# Altium PCB Minion.PcbDoc (part 4 of 10)
Units mm, origin at the board's own origin, x right, y up, seen from the top; angles counter-clockwise.
Board outline 250 x 250 mm, 4 copper layers (Top Layer, Mid-Top Layer, Mid-Bottom Layer, Bottom Layer); 557 components, 153 nets, 5229 pads, 7984 vias.
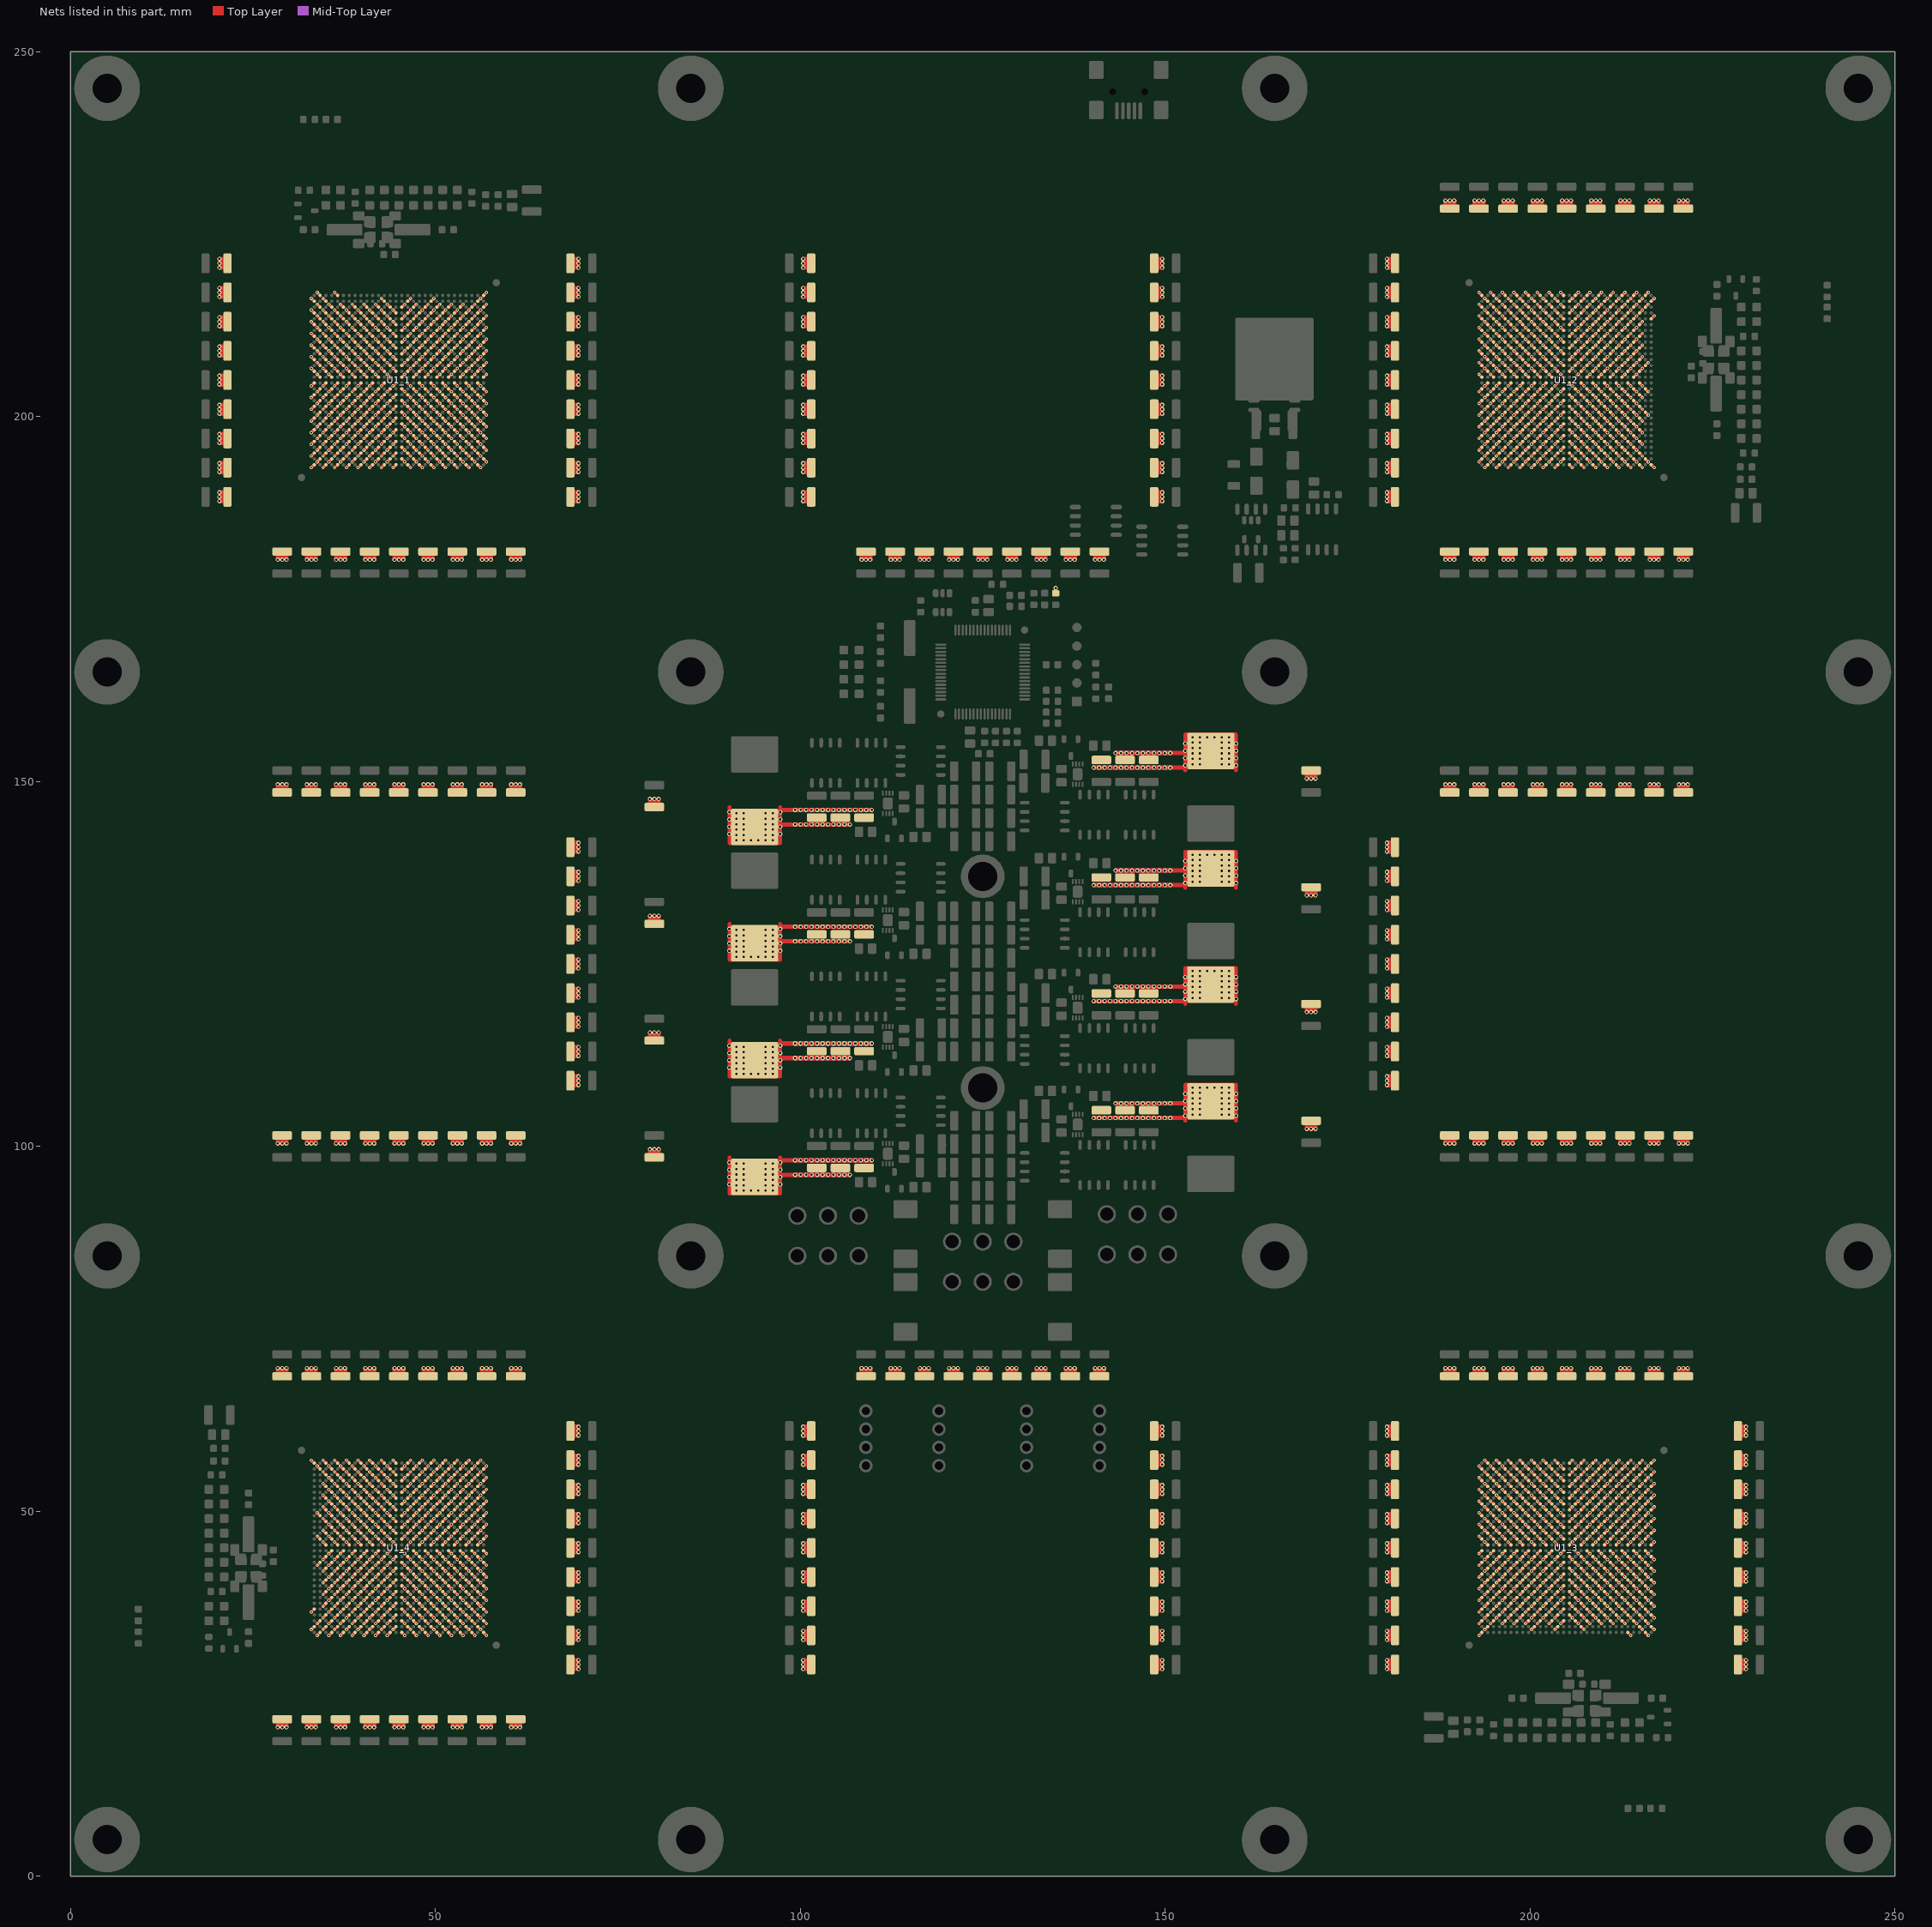
[diagram p6: the nets of this part, all layers, seen from the top]

## Via types
v1: diameter 0.6, hole 0.3, Top Layer to Bottom Layer, tented both sides, 4384 vias
v2: diameter 0.45, hole 0.2, Top Layer to Bottom Layer, tented both sides, 3600 vias

## Nets (pads, with @x,y where several pads share a name; then routed paths per layer and width w, separated by ;. In a path a pad name is that pad's centre, name@x,y a point inside that pad or via, vN(x,y) a via of type N, cw(c..) or ccw(c..) an arc to the next point about the centre after c; other vN are vias at no path point) (continued)
0.8V: (continued)
  Top Layer w0.6: v1(20.4,188.4) CM_14.1@21.5,188.4 ; v1(20.4,189) CM_14.1@21.5,189 ; v1(20.4,189.6) CM_14.1@21.5,189.6 ; v1(20.4,192.4) CM_16.1@21.5,192.4 ; v1(20.4,193) CM_16.1@21.5,193 ; v1(20.4,193.6) CM_16.1@21.5,193.6 ; v1(20.4,196.4) CM_18.1@21.5,196.4 ; v1(20.4,197) CM_18.1@21.5,197 ; v1(20.4,197.6) CM_18.1@21.5,197.6 ; v1(20.4,200.4) CM_20.1@21.5,200.4 ; v1(20.4,201) CM_20.1@21.5,201 ; v1(20.4,201.6) CM_20.1@21.5,201.6 ; v1(20.4,204.4) CM_22.1@21.5,204.4 ; v1(20.4,205) CM_22.1@21.5,205 ; v1(20.4,205.6) CM_22.1@21.5,205.6 ; v1(20.4,208.4) CM_21.1@21.5,208.4 ; v1(20.4,209) CM_21.1@21.5,209 ; v1(20.4,209.6) CM_21.1@21.5,209.6 ; v1(20.4,212.4) CM_23.1@21.5,212.4 ; v1(20.4,213) CM_23.1@21.5,213 ; v1(20.4,213.6) CM_23.1@21.5,213.6 ; v1(20.4,216.4) CM_24.1@21.5,216.4 ; v1(20.4,217) CM_24.1@21.5,217 ; v1(20.4,217.6) CM_24.1@21.5,217.6 ; v1(20.4,220.4) CM_8.1@21.5,220.4 ; v1(20.4,221) CM_8.1@21.5,221 ; v1(20.4,221.6) CM_8.1@21.5,221.6 ; v1(28.4,20.4) CM_97.1@28.4,21.5 ; CM_98.1@28.4,68.5 v1(28.4,69.6) ; v1(28.4,100.4) CF_79.1@28.4,101.5 ; CF_80.1@28.4,148.5 v1(28.4,149.6) ; v1(28.4,180.4) CM_10.1@28.4,181.5 ; v1(29,20.4) CM_97.1@29,21.5 ; CM_98.1@29,68.5 v1(29,69.6) ; v1(29,100.4) CF_79.1@29,101.5 ; CF_80.1@29,148.5 v1(29,149.6) ; v1(29,180.4) CM_10.1@29,181.5 ; v1(29.6,20.4) CM_97.1@29.6,21.5 ; CM_98.1@29.6,68.5 v1(29.6,69.6) ; v1(29.6,100.4) CF_79.1@29.6,101.5 ; CF_80.1@29.6,148.5 v1(29.6,149.6) ; v1(29.6,180.4) CM_10.1@29.6,181.5 ; v1(32.4,20.4) CM_5.1@32.4,21.5 ; CM_85.1@32.4,68.5 v1(32.4,69.6) ; v1(32.4,100.4) CF_108.1@32.4,101.5 ; CF_112.1@32.4,148.5 v1(32.4,149.6) ; v1(32.4,180.4) CM_109.1@32.4,181.5 ; v1(33,20.4) CM_5.1@33,21.5 ; CM_85.1@33,68.5 v1(33,69.6) ; v1(33,100.4) CF_108.1@33,101.5 ; CF_112.1@33,148.5 v1(33,149.6) ; v1(33,180.4) CM_109.1@33,181.5 ; v1(33.6,20.4) CM_5.1@33.6,21.5 ; CM_85.1@33.6,68.5 v1(33.6,69.6) ; v1(33.6,100.4) CF_108.1@33.6,101.5 ; CF_112.1@33.6,148.5 v1(33.6,149.6) ; v1(33.6,180.4) CM_109.1@33.6,181.5 ; v1(36.4,20.4) CM_103.1@36.4,21.5 ; CM_86.1@36.4,68.5 v1(36.4,69.6) ; v1(36.4,100.4) CF_106.1@36.4,101.5 ; CF_73.1@36.4,148.5 v1(36.4,149.6) ; v1(36.4,180.4) CM_108.1@36.4,181.5 ; v1(37,20.4) CM_103.1@37,21.5 ; CM_86.1@37,68.5 v1(37,69.6) ; v1(37,100.4) CF_106.1@37,101.5 ; CF_73.1@37,148.5 v1(37,149.6) ; v1(37,180.4) CM_108.1@37,181.5 ; v1(37.6,20.4) CM_103.1@37.6,21.5 ; CM_86.1@37.6,68.5 v1(37.6,69.6) ; v1(37.6,100.4) CF_106.1@37.6,101.5 ; CF_73.1@37.6,148.5 v1(37.6,149.6) ; v1(37.6,180.4) CM_108.1@37.6,181.5 ; v1(40.4,20.4) CM_102.1@40.4,21.5 ; CM_87.1@40.4,68.5 v1(40.4,69.6) ; v1(40.4,100.4) CF_95.1@40.4,101.5 ; CF_71.1@40.4,148.5 v1(40.4,149.6) ; v1(40.4,180.4) CM_3.1@40.4,181.5 ; v1(41,20.4) CM_102.1@41,21.5 ; CM_87.1@41,68.5 v1(41,69.6) ; v1(41,100.4) CF_95.1@41,101.5 ; CF_71.1@41,148.5 v1(41,149.6) ; v1(41,180.4) CM_3.1@41,181.5 ; v1(41.6,20.4) CM_102.1@41.6,21.5 ; CM_87.1@41.6,68.5 v1(41.6,69.6) ; v1(41.6,100.4) CF_95.1@41.6,101.5 ; CF_71.1@41.6,148.5 v1(41.6,149.6) ; v1(41.6,180.4) CM_3.1@41.6,181.5 ; v1(44.4,20.4) CM_101.1@44.4,21.5 ; CM_88.1@44.4,68.5 v1(44.4,69.6) ; v1(44.4,100.4) CF_72.1@44.4,101.5 ; CF_65.1@44.4,148.5 v1(44.4,149.6) ; v1(44.4,180.4) CM_107.1@44.4,181.5 ; v1(45,20.4) CM_101.1@45,21.5 ; CM_88.1@45,68.5 v1(45,69.6) ; v1(45,100.4) CF_72.1@45,101.5 ; CF_65.1@45,148.5 v1(45,149.6) ; v1(45,180.4) CM_107.1@45,181.5 ; v1(45.6,20.4) CM_101.1@45.6,21.5 ; CM_88.1@45.6,68.5 v1(45.6,69.6) ; v1(45.6,100.4) CF_72.1@45.6,101.5 ; CF_65.1@45.6,148.5 v1(45.6,149.6) ; v1(45.6,180.4) CM_107.1@45.6,181.5 ; v1(48.4,20.4) CM_100.1@48.4,21.5 ; CM_90.1@48.4,68.5 v1(48.4,69.6) ; v1(48.4,100.4) CF_68.1@48.4,101.5 ; CF_22.1@48.4,148.5 v1(48.4,149.6) ; v1(48.4,180.4) CM_106.1@48.4,181.5 ; v1(49,20.4) CM_100.1@49,21.5 ; CM_90.1@49,68.5 v1(49,69.6) ; v1(49,100.4) CF_68.1@49,101.5 ; CF_22.1@49,148.5 v1(49,149.6) ; v1(49,180.4) CM_106.1@49,181.5 ; v1(49.6,20.4) CM_100.1@49.6,21.5 ; CM_90.1@49.6,68.5 v1(49.6,69.6) ; v1(49.6,100.4) CF_68.1@49.6,101.5 ; CF_22.1@49.6,148.5 v1(49.6,149.6) ; v1(49.6,180.4) CM_106.1@49.6,181.5 ; v1(52.4,20.4) CM_9.1@52.4,21.5 ; CM_89.1@52.4,68.5 v1(52.4,69.6) ; v1(52.4,100.4) CF_67.1@52.4,101.5 ; CF_48.1@52.4,148.5 v1(52.4,149.6) ; v1(52.4,180.4) CM_105.1@52.4,181.5 ; v1(53,20.4) CM_9.1@53,21.5 ; CM_89.1@53,68.5 v1(53,69.6) ; v1(53,100.4) CF_67.1@53,101.5 ; CF_48.1@53,148.5 v1(53,149.6) ; v1(53,180.4) CM_105.1@53,181.5 ; v1(53.6,20.4) CM_9.1@53.6,21.5 ; CM_89.1@53.6,68.5 v1(53.6,69.6) ; v1(53.6,100.4) CF_67.1@53.6,101.5 ; CF_48.1@53.6,148.5 v1(53.6,149.6) ; v1(53.6,180.4) CM_105.1@53.6,181.5 ; v1(56.4,20.4) CM_99.1@56.4,21.5 ; CM_91.1@56.4,68.5 v1(56.4,69.6) ; v1(56.4,100.4) CF_35.1@56.4,101.5 ; CF_52.1@56.4,148.5 v1(56.4,149.6) ; v1(56.4,180.4) CM_104.1@56.4,181.5 ; v1(57,20.4) CM_99.1@57,21.5 ; CM_91.1@57,68.5 v1(57,69.6) ; v1(57,100.4) CF_35.1@57,101.5 ; CF_52.1@57,148.5 v1(57,149.6) ; v1(57,180.4) CM_104.1@57,181.5 ; v1(57.6,20.4) CM_99.1@57.6,21.5 ; CM_91.1@57.6,68.5 v1(57.6,69.6) ; v1(57.6,100.4) CF_35.1@57.6,101.5 ; CF_52.1@57.6,148.5 v1(57.6,149.6) ; v1(57.6,180.4) CM_104.1@57.6,181.5 ; v1(60.4,20.4) CM_93.1@60.4,21.5 ; CM_96.1@60.4,68.5 v1(60.4,69.6) ; v1(60.4,100.4) CF_76.1@60.4,101.5 ; CF_78.1@60.4,148.5 v1(60.4,149.6) ; v1(60.4,180.4) CM_12.1@60.4,181.5 ; v1(61,20.4) CM_93.1@61,21.5 ; CM_96.1@61,68.5 v1(61,69.6) ; v1(61,100.4) CF_76.1@61,101.5 ; CF_78.1@61,148.5 v1(61,149.6) ; v1(61,180.4) CM_12.1@61,181.5 ; v1(61.6,20.4) CM_93.1@61.6,21.5 ; CM_96.1@61.6,68.5 v1(61.6,69.6) ; v1(61.6,100.4) CF_76.1@61.6,101.5 ; CF_78.1@61.6,148.5 v1(61.6,149.6) ; v1(61.6,180.4) CM_12.1@61.6,181.5 ; CM_95.1@68.5,28.4 v1(69.6,28.4) ; CM_95.1@68.5,29 v1(69.6,29) ; CM_95.1@68.5,29.6 v1(69.6,29.6) ; CM_11.1@68.5,32.4 v1(69.6,32.4) ; CM_11.1@68.5,33 v1(69.6,33) ; CM_11.1@68.5,33.6 v1(69.6,33.6) ; CM_84.1@68.5,36.4 v1(69.6,36.4) ; CM_84.1@68.5,37 v1(69.6,37) ; CM_84.1@68.5,37.6 v1(69.6,37.6) ; CM_83.1@68.5,40.4 v1(69.6,40.4) ; CM_83.1@68.5,41 v1(69.6,41) ; CM_83.1@68.5,41.6 v1(69.6,41.6) ; CM_82.1@68.5,44.4 v1(69.6,44.4) ; CM_82.1@68.5,45 v1(69.6,45) ; CM_82.1@68.5,45.6 v1(69.6,45.6) ; CM_80.1@68.5,48.4 v1(69.6,48.4) ; CM_80.1@68.5,49 v1(69.6,49) ; CM_80.1@68.5,49.6 v1(69.6,49.6) ; CM_81.1@68.5,52.4 v1(69.6,52.4) ; CM_81.1@68.5,53 v1(69.6,53) ; CM_81.1@68.5,53.6 v1(69.6,53.6) ; CM_79.1@68.5,56.4 v1(69.6,56.4) ; CM_79.1@68.5,57 v1(69.6,57) ; CM_79.1@68.5,57.6 v1(69.6,57.6) ; CM_94.1@68.5,60.4 v1(69.6,60.4) ; CM_94.1@68.5,61 v1(69.6,61) ; CM_94.1@68.5,61.6 v1(69.6,61.6) ; CF_75.1@68.5,108.4 v1(69.6,108.4) ; CF_75.1@68.5,109 v1(69.6,109) ; CF_75.1@68.5,109.6 v1(69.6,109.6) ; CF_24.1@68.5,112.4 v1(69.6,112.4) ; CF_24.1@68.5,113 v1(69.6,113) ; CF_24.1@68.5,113.6 v1(69.6,113.6) ; CF_23.1@68.5,116.4 v1(69.6,116.4) ; CF_23.1@68.5,117 v1(69.6,117) ; CF_23.1@68.5,117.6 v1(69.6,117.6) ; CF_21.1@68.5,120.4 v1(69.6,120.4) ; CF_21.1@68.5,121 v1(69.6,121) ; CF_21.1@68.5,121.6 v1(69.6,121.6) ; CF_20.1@68.5,124.4 v1(69.6,124.4) ; CF_20.1@68.5,125 v1(69.6,125) ; CF_20.1@68.5,125.6 v1(69.6,125.6) ; CF_11.1@68.5,128.4 v1(69.6,128.4) ; CF_11.1@68.5,129 v1(69.6,129) ; CF_11.1@68.5,129.6 v1(69.6,129.6) ; CF_70.1@68.5,132.4 v1(69.6,132.4) ; CF_70.1@68.5,133 v1(69.6,133) ; CF_70.1@68.5,133.6 v1(69.6,133.6) ; CF_69.1@68.5,136.4 v1(69.6,136.4) ; CF_69.1@68.5,137 v1(69.6,137) ; CF_69.1@68.5,137.6 v1(69.6,137.6) ; CF_77.1@68.5,140.4 v1(69.6,140.4) ; CF_77.1@68.5,141 v1(69.6,141) ; CF_77.1@68.5,141.6 v1(69.6,141.6) ; CM_15.1@68.5,188.4 v1(69.6,188.4) ; CM_15.1@68.5,189 v1(69.6,189) ; CM_15.1@68.5,189.6 v1(69.6,189.6) ; CM_6.1@68.5,192.4 v1(69.6,192.4) ; CM_6.1@68.5,193 v1(69.6,193) ; CM_6.1@68.5,193.6 v1(69.6,193.6) ; CM_4.1@68.5,196.4 v1(69.6,196.4) ; CM_4.1@68.5,197 v1(69.6,197) ; CM_4.1@68.5,197.6 v1(69.6,197.6) ; CM_2.1@68.5,200.4 v1(69.6,200.4) ; CM_2.1@68.5,201 v1(69.6,201) ; CM_2.1@68.5,201.6 v1(69.6,201.6) ; CM_112.1@68.5,204.4 v1(69.6,204.4) ; CM_112.1@68.5,205 v1(69.6,205) ; CM_112.1@68.5,205.6 v1(69.6,205.6) ; CM_1.1@68.5,208.4 v1(69.6,208.4) ; CM_1.1@68.5,209 v1(69.6,209) ; CM_1.1@68.5,209.6 v1(69.6,209.6) ; CM_111.1@68.5,212.4 v1(69.6,212.4) ; CM_111.1@68.5,213 v1(69.6,213) ; CM_111.1@68.5,213.6 v1(69.6,213.6) ; CM_110.1@68.5,216.4 v1(69.6,216.4) ; CM_110.1@68.5,217 v1(69.6,217) ; CM_110.1@68.5,217.6 v1(69.6,217.6) ; CM_13.1@68.5,220.4 v1(69.6,220.4) ; CM_13.1@68.5,221 v1(69.6,221) ; CM_13.1@68.5,221.6 v1(69.6,221.6) ; CM_92.1@79.4,98.5 v1(79.4,99.6) ; CF_74.1@79.4,114.5 v1(79.4,115.6) ; CF_104.1@79.4,130.5 v1(79.4,131.6) ; CM_7.1@79.4,146.5 v1(79.4,147.6) ; CM_92.1@80,98.5 v1(80,99.6) ; CF_74.1@80,114.5 v1(80,115.6) ; CF_104.1@80,130.5 v1(80,131.6) ; CM_7.1@80,146.5 v1(80,147.6) ; CM_92.1@80.6,98.5 v1(80.6,99.6) ; CF_74.1@80.6,114.5 v1(80.6,115.6) ; CF_104.1@80.6,130.5 v1(80.6,131.6) ; CM_7.1@80.6,146.5 v1(80.6,147.6) ; L1P_7.2@94.525,112.1 v1(99.3,112.1) v1(100.05,112.1) v1(100.8,112.1) v1(101.55,112.1) v1(102.3,112.1) v1(103.05,112.1) v1(103.8,112.1) v1(104.55,112.1) v1(105.3,112.1) v1(106.05,112.1) v1(106.8,112.1) ; L1P_5.2@94.525,144.1 v1(99.3,144.1) v1(100.05,144.1) v1(100.8,144.1) v1(101.55,144.1) v1(102.3,144.1) v1(103.05,144.1) v1(103.8,144.1) v1(104.55,144.1) v1(105.3,144.1) v1(106.05,144.1) v1(106.8,144.1) ; L1P_8.2@94.525,96.1 v1(99.3,96.1) v1(100.05,96.1) v1(100.8,96.1) v1(101.55,96.1) v1(102.3,96.1) v1(103.05,96.1) v1(103.8,96.1) v1(104.55,96.1) v1(105.3,96.1) v1(106.05,96.1) v1(106.8,96.1) ; L1P_6.2@94.525,128.1 v1(99.3,128.1) v1(100.05,128.1) v1(100.8,128.1) v1(101.55,128.1) v1(102.3,128.1) v1(103.05,128.1) v1(103.8,128.1) v1(104.55,128.1) v1(105.3,128.1) v1(106.05,128.1) v1(106.8,128.1) ; 97.525,98.1 v1(99.3,98.1) v1(100.05,98.1) v1(100.8,98.1) v1(101.55,98.1) v1(102.3,98.1) v1(103.05,98.1) v1(103.8,98.1) v1(104.55,98.1) v1(105.3,98.1) v1(106.05,98.1) v1(106.8,98.1) v1(107.55,98.1) v1(108.3,98.1) v1(109.05,98.1) v1(109.8,98.1) ; 97.525,114.1 v1(99.3,114.1) v1(100.05,114.1) v1(100.8,114.1) v1(101.55,114.1) v1(102.3,114.1) v1(103.05,114.1) v1(103.8,114.1) v1(104.55,114.1) v1(105.3,114.1) v1(106.05,114.1) v1(106.8,114.1) v1(107.55,114.1) v1(108.3,114.1) v1(109.05,114.1) v1(109.8,114.1) ; 97.525,130.1 v1(99.3,130.1) v1(100.05,130.1) v1(100.8,130.1) v1(101.55,130.1) v1(102.3,130.1) v1(103.05,130.1) v1(103.8,130.1) v1(104.55,130.1) v1(105.3,130.1) v1(106.05,130.1) v1(106.8,130.1) v1(107.55,130.1) v1(108.3,130.1) v1(109.05,130.1) v1(109.8,130.1) ; 97.525,146.1 v1(99.3,146.1) v1(100.05,146.1) v1(100.8,146.1) v1(101.55,146.1) v1(102.3,146.1) v1(103.05,146.1) v1(103.8,146.1) v1(104.55,146.1) v1(105.3,146.1) v1(106.05,146.1) v1(106.8,146.1) v1(107.55,146.1) v1(108.3,146.1) v1(109.05,146.1) v1(109.8,146.1) ; v1(100.4,28.4) CF_32.1@101.5,28.4 ; v1(100.4,29) CF_32.1@101.5,29 ; v1(100.4,29.6) CF_32.1@101.5,29.6 ; v1(100.4,32.4) CF_3.1@101.5,32.4 ; v1(100.4,33) CF_3.1@101.5,33 ; v1(100.4,33.6) CF_3.1@101.5,33.6 ; v1(100.4,36.4) CF_2.1@101.5,36.4 ; v1(100.4,37) CF_2.1@101.5,37 ; v1(100.4,37.6) CF_2.1@101.5,37.6 ; v1(100.4,40.4) CF_1.1@101.5,40.4 ; v1(100.4,41) CF_1.1@101.5,41 ; v1(100.4,41.6) CF_1.1@101.5,41.6 ; v1(100.4,44.4) CF_26.1@101.5,44.4 ; v1(100.4,45) CF_26.1@101.5,45 ; v1(100.4,45.6) CF_26.1@101.5,45.6 ; v1(100.4,48.4) CF_27.1@101.5,48.4 ; v1(100.4,49) CF_27.1@101.5,49 ; v1(100.4,49.6) CF_27.1@101.5,49.6 ; v1(100.4,52.4) CF_28.1@101.5,52.4 ; v1(100.4,53) CF_28.1@101.5,53 ; v1(100.4,53.6) CF_28.1@101.5,53.6 ; v1(100.4,56.4) CF_4.1@101.5,56.4 ; v1(100.4,57) CF_4.1@101.5,57 ; v1(100.4,57.6) CF_4.1@101.5,57.6 ; v1(100.4,60.4) CF_31.1@101.5,60.4 ; v1(100.4,61) CF_31.1@101.5,61 ; v1(100.4,61.6) CF_31.1@101.5,61.6 ; v1(100.4,188.4) CF_109.1@101.5,188.4 ; v1(100.4,189) CF_109.1@101.5,189 ; v1(100.4,189.6) CF_109.1@101.5,189.6 ; v1(100.4,192.4) CF_96.1@101.5,192.4 ; v1(100.4,193) CF_96.1@101.5,193 ; v1(100.4,193.6) CF_96.1@101.5,193.6 ; v1(100.4,196.4) CF_97.1@101.5,196.4 ; v1(100.4,197) CF_97.1@101.5,197 ; v1(100.4,197.6) CF_97.1@101.5,197.6 ; v1(100.4,200.4) CF_98.1@101.5,200.4 ; v1(100.4,201) CF_98.1@101.5,201 ; v1(100.4,201.6) CF_98.1@101.5,201.6 ; v1(100.4,204.4) CF_99.1@101.5,204.4 ; v1(100.4,205) CF_99.1@101.5,205 ; v1(100.4,205.6) CF_99.1@101.5,205.6 ; v1(100.4,208.4) CF_100.1@101.5,208.4 ; v1(100.4,209) CF_100.1@101.5,209 ; v1(100.4,209.6) CF_100.1@101.5,209.6 ; v1(100.4,212.4) CF_101.1@101.5,212.4 ; v1(100.4,213) CF_101.1@101.5,213 ; v1(100.4,213.6) CF_101.1@101.5,213.6 ; v1(100.4,216.4) CF_102.1@101.5,216.4 ; v1(100.4,217) CF_102.1@101.5,217 ; v1(100.4,217.6) CF_102.1@101.5,217.6 ; v1(100.4,220.4) CF_111.1@101.5,220.4 ; v1(100.4,221) CF_111.1@101.5,221 ; v1(100.4,221.6) CF_111.1@101.5,221.6 ; CF_30.1@108.4,68.5 v1(108.4,69.6) ; v1(108.4,180.4) CF_103.1@108.4,181.5 ; CF_30.1@109,68.5 v1(109,69.6) ; v1(109,180.4) CF_103.1@109,181.5 ; CF_30.1@109.6,68.5 v1(109.6,69.6) ; v1(109.6,180.4) CF_103.1@109.6,181.5 ; CF_59.1@112.4,68.5 v1(112.4,69.6) ; v1(112.4,180.4) CF_87.1@112.4,181.5 ; CF_59.1@113,68.5 v1(113,69.6) ; v1(113,180.4) CF_87.1@113,181.5 ; CF_59.1@113.6,68.5 v1(113.6,69.6) ; v1(113.6,180.4) CF_87.1@113.6,181.5 ; CF_60.1@116.4,68.5 v1(116.4,69.6) ; v1(116.4,180.4) CF_86.1@116.4,181.5 ; CF_60.1@117,68.5 v1(117,69.6) ; v1(117,180.4) CF_86.1@117,181.5 ; CF_60.1@117.6,68.5 v1(117.6,69.6) ; v1(117.6,180.4) CF_86.1@117.6,181.5 ; CF_61.1@120.4,68.5 v1(120.4,69.6) ; v1(120.4,180.4) CF_85.1@120.4,181.5 ; CF_61.1@121,68.5 v1(121,69.6) ; v1(121,180.4) CF_85.1@121,181.5 ; CF_61.1@121.6,68.5 v1(121.6,69.6) ; v1(121.6,180.4) CF_85.1@121.6,181.5 ; CF_62.1@124.4,68.5 v1(124.4,69.6) ; v1(124.4,180.4) CF_84.1@124.4,181.5 ; CF_62.1@125,68.5 v1(125,69.6) ; v1(125,180.4) CF_84.1@125,181.5 ; CF_62.1@125.6,68.5 v1(125.6,69.6) ; v1(125.6,180.4) CF_84.1@125.6,181.5 ; CF_63.1@128.4,68.5 v1(128.4,69.6) ; v1(128.4,180.4) CF_83.1@128.4,181.5 ; CF_63.1@129,68.5 v1(129,69.6) ; v1(129,180.4) CF_83.1@129,181.5 ; CF_63.1@129.6,68.5 v1(129.6,69.6) ; v1(129.6,180.4) CF_83.1@129.6,181.5 ; CF_64.1@132.4,68.5 v1(132.4,69.6) ; v1(132.4,180.4) CF_82.1@132.4,181.5 ; CF_64.1@133,68.5 v1(133,69.6) ; v1(133,180.4) CF_82.1@133,181.5 ; CF_64.1@133.6,68.5 v1(133.6,69.6) ; v1(133.6,180.4) CF_82.1@133.6,181.5 ; CF_66.1@136.4,68.5 v1(136.4,69.6) ; v1(136.4,180.4) CF_81.1@136.4,181.5 ; CF_66.1@137,68.5 v1(137,69.6) ; v1(137,180.4) CF_81.1@137,181.5 ; CF_66.1@137.6,68.5 v1(137.6,69.6) ; v1(137.6,180.4) CF_81.1@137.6,181.5 ; v1(140.2,103.9) v1(140.95,103.9) v1(141.7,103.9) v1(142.45,103.9) v1(143.2,103.9) v1(143.95,103.9) v1(144.7,103.9) v1(145.45,103.9) v1(146.2,103.9) v1(146.95,103.9) v1(147.7,103.9) v1(148.45,103.9) v1(149.2,103.9) v1(149.95,103.9) v1(150.7,103.9) 152.475,103.9 ; v1(140.2,119.9) v1(140.95,119.9) v1(141.7,119.9) v1(142.45,119.9) v1(143.2,119.9) v1(143.95,119.9) v1(144.7,119.9) v1(145.45,119.9) v1(146.2,119.9) v1(146.95,119.9) v1(147.7,119.9) v1(148.45,119.9) v1(149.2,119.9) v1(149.95,119.9) v1(150.7,119.9) 152.475,119.9 ; v1(140.2,135.8) v1(140.95,135.8) v1(141.7,135.8) v1(142.45,135.8) v1(143.2,135.8) v1(143.95,135.8) v1(144.7,135.8) v1(145.45,135.8) v1(146.2,135.8) v1(146.95,135.8) v1(147.7,135.8) v1(148.45,135.8) v1(149.2,135.8) v1(149.95,135.8) v1(150.7,135.8) 152.475,135.8 ; v1(140.2,151.9) v1(140.95,151.9) v1(141.7,151.9) v1(142.45,151.9) v1(143.2,151.9) v1(143.95,151.9) v1(144.7,151.9) v1(145.45,151.9) v1(146.2,151.9) v1(146.95,151.9) v1(147.7,151.9) v1(148.45,151.9) v1(149.2,151.9) v1(149.95,151.9) v1(150.7,151.9) 152.474,151.9 ; CF_5.1@140.4,68.5 v1(140.4,69.6) ; v1(140.4,180.4) CF_105.1@140.4,181.5 ; CF_5.1@141,68.5 v1(141,69.6) ; v1(141,180.4) CF_105.1@141,181.5 ; CF_5.1@141.6,68.5 v1(141.6,69.6) ; v1(141.6,180.4) CF_105.1@141.6,181.5 ; v1(143.2,105.9) v1(143.95,105.9) v1(144.7,105.9) v1(145.45,105.9) v1(146.2,105.9) v1(146.95,105.9) v1(147.7,105.9) v1(148.45,105.9) v1(149.2,105.9) v1(149.95,105.9) v1(150.7,105.9) L1P_1.2@155.475,105.9 ; v1(143.2,121.9) v1(143.95,121.9) v1(144.7,121.9) v1(145.45,121.9) v1(146.2,121.9) v1(146.95,121.9) v1(147.7,121.9) v1(148.45,121.9) v1(149.2,121.9) v1(149.95,121.9) v1(150.7,121.9) L1P_2.2@155.475,121.9 ; v1(143.2,137.8) v1(143.95,137.8) v1(144.7,137.8) v1(145.45,137.8) v1(146.2,137.8) v1(146.95,137.8) v1(147.7,137.8) v1(148.45,137.8) v1(149.2,137.8) v1(149.95,137.8) v1(150.7,137.8) L1P_3.2@155.475,137.8 ; v1(143.2,153.9) v1(143.95,153.9) v1(144.7,153.9) v1(145.45,153.9) v1(146.2,153.9) v1(146.95,153.9) v1(147.7,153.9) v1(148.45,153.9) v1(149.2,153.9) v1(149.95,153.9) v1(150.7,153.9) ; CF_7.1@148.5,28.4 v1(149.6,28.4) ; CF_7.1@148.5,29 v1(149.6,29) ; CF_7.1@148.5,29.6 v1(149.6,29.6) ; CF_43.1@148.5,32.4 v1(149.6,32.4) ; CF_43.1@148.5,33 v1(149.6,33) ; CF_43.1@148.5,33.6 v1(149.6,33.6) ; CF_19.1@148.5,36.4 v1(149.6,36.4) ; CF_19.1@148.5,37 v1(149.6,37) ; CF_19.1@148.5,37.6 v1(149.6,37.6) ; CF_10.1@148.5,40.4 v1(149.6,40.4) ; CF_10.1@148.5,41 v1(149.6,41) ; CF_10.1@148.5,41.6 v1(149.6,41.6) ; CF_9.1@148.5,44.4 v1(149.6,44.4) ; CF_9.1@148.5,45 v1(149.6,45) ; CF_9.1@148.5,45.6 v1(149.6,45.6) ; CF_33.1@148.5,48.4 v1(149.6,48.4) ; CF_33.1@148.5,49 v1(149.6,49) ; CF_33.1@148.5,49.6 v1(149.6,49.6) ; CF_8.1@148.5,52.4 v1(149.6,52.4) ; CF_8.1@148.5,53 v1(149.6,53) ; CF_8.1@148.5,53.6 v1(149.6,53.6) ; CF_34.1@148.5,56.4 v1(149.6,56.4) ; CF_34.1@148.5,57 v1(149.6,57) ; CF_34.1@148.5,57.6 v1(149.6,57.6) ; CF_6.1@148.5,60.4 v1(149.6,60.4) ; CF_6.1@148.5,61 v1(149.6,61) ; CF_6.1@148.5,61.6 v1(149.6,61.6) ; CF_110.1@148.5,188.4 v1(149.6,188.4) ; CF_110.1@148.5,189 v1(149.6,189) ; CF_110.1@148.5,189.6 v1(149.6,189.6) ; CF_94.1@148.5,192.4 v1(149.6,192.4) ; CF_94.1@148.5,193 v1(149.6,193) ; CF_94.1@148.5,193.6 v1(149.6,193.6) ; CF_93.1@148.5,196.4 v1(149.6,196.4) ; CF_93.1@148.5,197 v1(149.6,197) ; CF_93.1@148.5,197.6 v1(149.6,197.6) ; CF_92.1@148.5,200.4 v1(149.6,200.4) ; CF_92.1@148.5,201 v1(149.6,201) ; CF_92.1@148.5,201.6 v1(149.6,201.6) ; CF_91.1@148.5,204.4 v1(149.6,204.4) ; CF_91.1@148.5,205 v1(149.6,205) ; CF_91.1@148.5,205.6 v1(149.6,205.6) ; CF_90.1@148.5,208.4 v1(149.6,208.4) ; CF_90.1@148.5,209 v1(149.6,209) ; CF_90.1@148.5,209.6 v1(149.6,209.6) ; CF_88.1@148.5,212.4 v1(149.6,212.4) ; CF_88.1@148.5,213 v1(149.6,213) ; CF_88.1@148.5,213.6 v1(149.6,213.6) ; CF_89.1@148.5,216.4 v1(149.6,216.4) ; CF_89.1@148.5,217 v1(149.6,217) ; CF_89.1@148.5,217.6 v1(149.6,217.6) ; CF_107.1@148.5,220.4 v1(149.6,220.4) ; CF_107.1@148.5,221 v1(149.6,221) ; CF_107.1@148.5,221.6 v1(149.6,221.6) ; v1(150.7,153.9) L1P_4.2@155.475,153.9 ; v1(169.4,102.4) CM_58.1@169.4,103.5 ; v1(169.4,118.4) CF_51.1@169.4,119.5 ; v1(169.4,134.4) CF_29.1@169.4,135.5 ; v1(169.4,150.4) CM_38.1@169.4,151.5 ; v1(170,102.4) CM_58.1@170,103.5 ; v1(170,118.4) CF_51.1@170,119.5 ; v1(170,134.4) CF_29.1@170,135.5 ; v1(170,150.4) CM_38.1@170,151.5 ; v1(170.6,102.4) CM_58.1@170.6,103.5 ; v1(170.6,118.4) CF_51.1@170.6,119.5 ; v1(170.6,134.4) CF_29.1@170.6,135.5 ; v1(170.6,150.4) CM_38.1@170.6,151.5 ; v1(180.4,28.4) CM_64.1@181.5,28.4 ; v1(180.4,29) CM_64.1@181.5,29 ; v1(180.4,29.6) CM_64.1@181.5,29.6 ; v1(180.4,32.4) CM_65.1@181.5,32.4 ; v1(180.4,33) CM_65.1@181.5,33 ; v1(180.4,33.6) CM_65.1@181.5,33.6 ; v1(180.4,36.4) CM_66.1@181.5,36.4 ; v1(180.4,37) CM_66.1@181.5,37 ; v1(180.4,37.6) CM_66.1@181.5,37.6 ; v1(180.4,40.4) CM_67.1@181.5,40.4 ; v1(180.4,41) CM_67.1@181.5,41 ; v1(180.4,41.6) CM_67.1@181.5,41.6 ; v1(180.4,44.4) CM_68.1@181.5,44.4 ; v1(180.4,45) CM_68.1@181.5,45 ; v1(180.4,45.6) CM_68.1@181.5,45.6 ; v1(180.4,48.4) CM_69.1@181.5,48.4 ; v1(180.4,49) CM_69.1@181.5,49 ; v1(180.4,49.6) CM_69.1@181.5,49.6 ; v1(180.4,52.4) CM_70.1@181.5,52.4 ; v1(180.4,53) CM_70.1@181.5,53 ; v1(180.4,53.6) CM_70.1@181.5,53.6 ; v1(180.4,56.4) CM_71.1@181.5,56.4 ; v1(180.4,57) CM_71.1@181.5,57 ; v1(180.4,57.6) CM_71.1@181.5,57.6 ; v1(180.4,60.4) CM_61.1@181.5,60.4 ; v1(180.4,61) CM_61.1@181.5,61 ; v1(180.4,61.6) CM_61.1@181.5,61.6 ; v1(180.4,108.4) CF_56.1@181.5,108.4 ; v1(180.4,109) CF_56.1@181.5,109 ; v1(180.4,109.6) CF_56.1@181.5,109.6 ; v1(180.4,112.4) CF_36.1@181.5,112.4 ; v1(180.4,113) CF_36.1@181.5,113 ; v1(180.4,113.6) CF_36.1@181.5,113.6 ; v1(180.4,116.4) CF_12.1@181.5,116.4 ; v1(180.4,117) CF_12.1@181.5,117 ; v1(180.4,117.6) CF_12.1@181.5,117.6 ; v1(180.4,120.4) CF_37.1@181.5,120.4 ; v1(180.4,121) CF_37.1@181.5,121 ; v1(180.4,121.6) CF_37.1@181.5,121.6 ; v1(180.4,124.4) CF_13.1@181.5,124.4 ; v1(180.4,125) CF_13.1@181.5,125 ; v1(180.4,125.6) CF_13.1@181.5,125.6 ; v1(180.4,128.4) CF_38.1@181.5,128.4 ; v1(180.4,129) CF_38.1@181.5,129 ; v1(180.4,129.6) CF_38.1@181.5,129.6 ; v1(180.4,132.4) CF_14.1@181.5,132.4 ; v1(180.4,133) CF_14.1@181.5,133 ; v1(180.4,133.6) CF_14.1@181.5,133.6 ; v1(180.4,136.4) CF_15.1@181.5,136.4 ; v1(180.4,137) CF_15.1@181.5,137 ; v1(180.4,137.6) CF_15.1@181.5,137.6 ; v1(180.4,140.4) CF_55.1@181.5,140.4 ; v1(180.4,141) CF_55.1@181.5,141 ; v1(180.4,141.6) CF_55.1@181.5,141.6 ; v1(180.4,188.4) CM_40.1@181.5,188.4 ; v1(180.4,189) CM_40.1@181.5,189 ; v1(180.4,189.6) CM_40.1@181.5,189.6 ; v1(180.4,192.4) CM_25.1@181.5,192.4 ; v1(180.4,193) CM_25.1@181.5,193 ; v1(180.4,193.6) CM_25.1@181.5,193.6 ; v1(180.4,196.4) CM_26.1@181.5,196.4 ; v1(180.4,197) CM_26.1@181.5,197 ; v1(180.4,197.6) CM_26.1@181.5,197.6 ; v1(180.4,200.4) CM_19.1@181.5,200.4 ; v1(180.4,201) CM_19.1@181.5,201 ; v1(180.4,201.6) CM_19.1@181.5,201.6 ; v1(180.4,204.4) CM_27.1@181.5,204.4 ; v1(180.4,205) CM_27.1@181.5,205 ; v1(180.4,205.6) CM_27.1@181.5,205.6 ; v1(180.4,208.4) CM_28.1@181.5,208.4 ; v1(180.4,209) CM_28.1@181.5,209 ; v1(180.4,209.6) CM_28.1@181.5,209.6 ; v1(180.4,212.4) CM_29.1@181.5,212.4 ; v1(180.4,213) CM_29.1@181.5,213 ; v1(180.4,213.6) CM_29.1@181.5,213.6 ; v1(180.4,216.4) CM_30.1@181.5,216.4 ; v1(180.4,217) CM_30.1@181.5,217 ; v1(180.4,217.6) CM_30.1@181.5,217.6 ; v1(180.4,220.4) CM_39.1@181.5,220.4 ; v1(180.4,221) CM_39.1@181.5,221 ; v1(180.4,221.6) CM_39.1@181.5,221.6 ; CM_60.1@188.4,68.5 v1(188.4,69.6) ; v1(188.4,100.4) CF_57.1@188.4,101.5 ; CF_53.1@188.4,148.5 v1(188.4,149.6) ; v1(188.4,180.4) CM_42.1@188.4,181.5 ; CM_17.1@188.4,228.5 v1(188.4,229.6) ; CM_60.1@189,68.5 v1(189,69.6) ; v1(189,100.4) CF_57.1@189,101.5 ; CF_53.1@189,148.5 v1(189,149.6) ; v1(189,180.4) CM_42.1@189,181.5 ; CM_17.1@189,228.5 v1(189,229.6) ; CM_60.1@189.6,68.5 v1(189.6,69.6) ; v1(189.6,100.4) CF_57.1@189.6,101.5 ; CF_53.1@189.6,148.5 v1(189.6,149.6) ; v1(189.6,180.4) CM_42.1@189.6,181.5 ; CM_17.1@189.6,228.5 v1(189.6,229.6) ; CM_51.1@192.4,68.5 v1(192.4,69.6) ; v1(192.4,100.4) CF_50.1@192.4,101.5 ; CF_39.1@192.4,148.5 v1(192.4,149.6) ; v1(192.4,180.4) CM_37.1@192.4,181.5 ; CM_45.1@192.4,228.5 v1(192.4,229.6) ; CM_51.1@193,68.5 v1(193,69.6) ; v1(193,100.4) CF_50.1@193,101.5 ; CF_39.1@193,148.5 v1(193,149.6) ; v1(193,180.4) CM_37.1@193,181.5 ; CM_45.1@193,228.5 v1(193,229.6) ; CM_51.1@193.6,68.5 v1(193.6,69.6) ; v1(193.6,100.4) CF_50.1@193.6,101.5 ; CF_39.1@193.6,148.5 v1(193.6,149.6) ; v1(193.6,180.4) CM_37.1@193.6,181.5 ; CM_45.1@193.6,228.5 v1(193.6,229.6) ; CM_52.1@196.4,68.5 v1(196.4,69.6) ; v1(196.4,100.4) CF_49.1@196.4,101.5 ; CF_40.1@196.4,148.5 v1(196.4,149.6) ; v1(196.4,180.4) CM_36.1@196.4,181.5 ; CM_41.1@196.4,228.5 v1(196.4,229.6) ; CM_52.1@197,68.5 v1(197,69.6) ; v1(197,100.4) CF_49.1@197,101.5 ; CF_40.1@197,148.5 v1(197,149.6) ; v1(197,180.4) CM_36.1@197,181.5 ; CM_41.1@197,228.5 v1(197,229.6) ; CM_52.1@197.6,68.5 v1(197.6,69.6) ; v1(197.6,100.4) CF_49.1@197.6,101.5 ; CF_40.1@197.6,148.5 v1(197.6,149.6) ; v1(197.6,180.4) CM_36.1@197.6,181.5 ; CM_41.1@197.6,228.5 v1(197.6,229.6) ; CM_53.1@200.4,68.5 v1(200.4,69.6) ; v1(200.4,100.4) CF_47.1@200.4,101.5 ; CF_41.1@200.4,148.5 v1(200.4,149.6) ; v1(200.4,180.4) CM_35.1@200.4,181.5 ; CM_46.1@200.4,228.5 v1(200.4,229.6) ; CM_53.1@201,68.5 v1(201,69.6) ; v1(201,100.4) CF_47.1@201,101.5 ; CF_41.1@201,148.5 v1(201,149.6) ; v1(201,180.4) CM_35.1@201,181.5 ; CM_46.1@201,228.5 v1(201,229.6) ; CM_53.1@201.6,68.5 v1(201.6,69.6) ; v1(201.6,100.4) CF_47.1@201.6,101.5 ; CF_41.1@201.6,148.5 v1(201.6,149.6) ; v1(201.6,180.4) CM_35.1@201.6,181.5 ; CM_46.1@201.6,228.5 v1(201.6,229.6) ; CM_55.1@204.4,68.5 v1(204.4,69.6) ; v1(204.4,100.4) CF_46.1@204.4,101.5 ; CF_16.1@204.4,148.5 v1(204.4,149.6) ; v1(204.4,180.4) CM_34.1@204.4,181.5 ; CM_47.1@204.4,228.5 v1(204.4,229.6) ; CM_55.1@205,68.5 v1(205,69.6) ; v1(205,100.4) CF_46.1@205,101.5 ; CF_16.1@205,148.5 v1(205,149.6) ; v1(205,180.4) CM_34.1@205,181.5 ; CM_47.1@205,228.5 v1(205,229.6) ; CM_55.1@205.6,68.5 v1(205.6,69.6) ; v1(205.6,100.4) CF_46.1@205.6,101.5 ; CF_16.1@205.6,148.5 v1(205.6,149.6) ; v1(205.6,180.4) CM_34.1@205.6,181.5 ; CM_47.1@205.6,228.5 v1(205.6,229.6) ; CM_56.1@208.4,68.5 v1(208.4,69.6) ; v1(208.4,100.4) CF_45.1@208.4,101.5 ; CF_17.1@208.4,148.5 v1(208.4,149.6) ; v1(208.4,180.4) CM_33.1@208.4,181.5 ; CM_48.1@208.4,228.5 v1(208.4,229.6) ; CM_56.1@209,68.5 v1(209,69.6) ; v1(209,100.4) CF_45.1@209,101.5 ; CF_17.1@209,148.5 v1(209,149.6) ; v1(209,180.4) CM_33.1@209,181.5 ; CM_48.1@209,228.5 v1(209,229.6) ; CM_56.1@209.6,68.5 v1(209.6,69.6) ; v1(209.6,100.4) CF_45.1@209.6,101.5 ; CF_17.1@209.6,148.5 v1(209.6,149.6) ; v1(209.6,180.4) CM_33.1@209.6,181.5 ; CM_48.1@209.6,228.5 v1(209.6,229.6) ; CM_54.1@212.4,68.5 v1(212.4,69.6) ; v1(212.4,100.4) CF_44.1@212.4,101.5 ; CF_42.1@212.4,148.5 v1(212.4,149.6) ; v1(212.4,180.4) CM_32.1@212.4,181.5 ; CM_49.1@212.4,228.5 v1(212.4,229.6) ; CM_54.1@213,68.5 v1(213,69.6) ; v1(213,100.4) CF_44.1@213,101.5 ; CF_42.1@213,148.5 v1(213,149.6) ; v1(213,180.4) CM_32.1@213,181.5 ; CM_49.1@213,228.5 v1(213,229.6) ; CM_54.1@213.6,68.5 v1(213.6,69.6) ; v1(213.6,100.4) CF_44.1@213.6,101.5 ; CF_42.1@213.6,148.5 v1(213.6,149.6) ; v1(213.6,180.4) CM_32.1@213.6,181.5 ; CM_49.1@213.6,228.5 v1(213.6,229.6) ; CM_57.1@216.4,68.5 v1(216.4,69.6) ; v1(216.4,100.4) CF_25.1@216.4,101.5 ; CF_18.1@216.4,148.5 v1(216.4,149.6) ; v1(216.4,180.4) CM_31.1@216.4,181.5 ; CM_50.1@216.4,228.5 v1(216.4,229.6) ; CM_57.1@217,68.5 v1(217,69.6) ; v1(217,100.4) CF_25.1@217,101.5 ; CF_18.1@217,148.5 v1(217,149.6) ; v1(217,180.4) CM_31.1@217,181.5 ; CM_50.1@217,228.5 v1(217,229.6) ; CM_57.1@217.6,68.5 v1(217.6,69.6) ; v1(217.6,100.4) CF_25.1@217.6,101.5 ; CF_18.1@217.6,148.5 v1(217.6,149.6) ; v1(217.6,180.4) CM_31.1@217.6,181.5 ; CM_50.1@217.6,228.5 v1(217.6,229.6) ; CM_59.1@220.4,68.5 v1(220.4,69.6) ; v1(220.4,100.4) CF_58.1@220.4,101.5 ; CF_54.1@220.4,148.5 v1(220.4,149.6) ; v1(220.4,180.4) CM_44.1@220.4,181.5 ; CM_43.1@220.4,228.5 v1(220.4,229.6) ; CM_59.1@221,68.5 v1(221,69.6) ; v1(221,100.4) CF_58.1@221,101.5 ; CF_54.1@221,148.5 v1(221,149.6) ; v1(221,180.4) CM_44.1@221,181.5 ; CM_43.1@221,228.5 v1(221,229.6) ; CM_59.1@221.6,68.5 v1(221.6,69.6) ; v1(221.6,100.4) CF_58.1@221.6,101.5 ; CF_54.1@221.6,148.5 v1(221.6,149.6) ; v1(221.6,180.4) CM_44.1@221.6,181.5 ; CM_43.1@221.6,228.5 v1(221.6,229.6) ; CM_63.1@228.5,28.4 v1(229.6,28.4) ; CM_63.1@228.5,29 v1(229.6,29) ; CM_63.1@228.5,29.6 v1(229.6,29.6) ; CM_78.1@228.5,32.4 v1(229.6,32.4) ; CM_78.1@228.5,33 v1(229.6,33) ; CM_78.1@228.5,33.6 v1(229.6,33.6) ; CM_77.1@228.5,36.4 v1(229.6,36.4) ; CM_77.1@228.5,37 v1(229.6,37) ; CM_77.1@228.5,37.6 v1(229.6,37.6) ; CM_76.1@228.5,40.4 v1(229.6,40.4) ; CM_76.1@228.5,41 v1(229.6,41) ; CM_76.1@228.5,41.6 v1(229.6,41.6) ; CM_74.1@228.5,44.4 v1(229.6,44.4) ; CM_74.1@228.5,45 v1(229.6,45) ; CM_74.1@228.5,45.6 v1(229.6,45.6) ; CM_75.1@228.5,48.4 v1(229.6,48.4) ; CM_75.1@228.5,49 v1(229.6,49) ; CM_75.1@228.5,49.6 v1(229.6,49.6) ; CM_73.1@228.5,52.4 v1(229.6,52.4) ; CM_73.1@228.5,53 v1(229.6,53) ; CM_73.1@228.5,53.6 v1(229.6,53.6) ; CM_72.1@228.5,56.4 v1(229.6,56.4) ; CM_72.1@228.5,57 v1(229.6,57) ; CM_72.1@228.5,57.6 v1(229.6,57.6) ; CM_62.1@228.5,60.4 v1(229.6,60.4) ; CM_62.1@228.5,61 v1(229.6,61) ; CM_62.1@228.5,61.6 v1(229.6,61.6)
  Mid-Top Layer w0.6: v1(99.3,96.1) v1(100.05,96.1) v1(100.8,96.1) v1(101.55,96.1) v1(102.3,96.1) v1(103.05,96.1) v1(103.8,96.1) v1(104.55,96.1) v1(105.3,96.1) v1(106.05,96.1) v1(106.8,96.1) ; v1(99.3,98.1) v1(100.05,98.1) v1(100.8,98.1) v1(101.55,98.1) v1(102.3,98.1) v1(103.05,98.1) v1(103.8,98.1) v1(104.55,98.1) v1(105.3,98.1) v1(106.05,98.1) v1(106.8,98.1) v1(107.55,98.1) v1(108.3,98.1) v1(109.05,98.1) v1(109.8,98.1) ; v1(99.3,112.1) v1(100.05,112.1) v1(100.8,112.1) v1(101.55,112.1) v1(102.3,112.1) v1(103.05,112.1) v1(103.8,112.1) v1(104.55,112.1) v1(105.3,112.1) v1(106.05,112.1) v1(106.8,112.1) ; v1(99.3,114.1) v1(100.05,114.1) v1(100.8,114.1) v1(101.55,114.1) v1(102.3,114.1) v1(103.05,114.1) v1(103.8,114.1) v1(104.55,114.1) v1(105.3,114.1) v1(106.05,114.1) v1(106.8,114.1) v1(107.55,114.1) v1(108.3,114.1) v1(109.05,114.1) v1(109.8,114.1) ; v1(99.3,128.1) v1(100.05,128.1) v1(100.8,128.1) v1(101.55,128.1) v1(102.3,128.1) v1(103.05,128.1) v1(103.8,128.1) v1(104.55,128.1) v1(105.3,128.1) v1(106.05,128.1) v1(106.8,128.1) ; v1(99.3,130.1) v1(100.05,130.1) v1(100.8,130.1) v1(101.55,130.1) v1(102.3,130.1) v1(103.05,130.1) v1(103.8,130.1) v1(104.55,130.1) v1(105.3,130.1) v1(106.05,130.1) v1(106.8,130.1) v1(107.55,130.1) v1(108.3,130.1) v1(109.05,130.1) v1(109.8,130.1) ; v1(99.3,144.1) v1(100.05,144.1) v1(100.8,144.1) v1(101.55,144.1) v1(102.3,144.1) v1(103.05,144.1) v1(103.8,144.1) v1(104.55,144.1) v1(105.3,144.1) v1(106.05,144.1) v1(106.8,144.1) ; v1(99.3,146.1) v1(100.05,146.1) v1(100.8,146.1) v1(101.55,146.1) v1(102.3,146.1) v1(103.05,146.1) v1(103.8,146.1) v1(104.55,146.1) v1(105.3,146.1) v1(106.05,146.1) v1(106.8,146.1) v1(107.55,146.1) v1(108.3,146.1) v1(109.05,146.1) v1(109.8,146.1) ; v1(140.2,103.9) v1(140.95,103.9) v1(141.7,103.9) v1(142.45,103.9) v1(143.2,103.9) v1(143.95,103.9) v1(144.7,103.9) v1(145.45,103.9) v1(146.2,103.9) v1(146.95,103.9) v1(147.7,103.9) v1(148.45,103.9) v1(149.2,103.9) v1(149.95,103.9) v1(150.7,103.9) ; v1(140.2,119.9) v1(140.95,119.9) v1(141.7,119.9) v1(142.45,119.9) v1(143.2,119.9) v1(143.95,119.9) v1(144.7,119.9) v1(145.45,119.9) v1(146.2,119.9) v1(146.95,119.9) v1(147.7,119.9) v1(148.45,119.9) v1(149.2,119.9) v1(149.95,119.9) v1(150.7,119.9) ; v1(140.2,135.8) v1(140.95,135.8) v1(141.7,135.8) v1(142.45,135.8) v1(143.2,135.8) v1(143.95,135.8) v1(144.7,135.8) v1(145.45,135.8) v1(146.2,135.8) v1(146.95,135.8) v1(147.7,135.8) v1(148.45,135.8) v1(149.2,135.8) v1(149.95,135.8) v1(150.7,135.8) ; v1(140.2,151.9) v1(140.95,151.9) v1(141.7,151.9) v1(142.45,151.9) v1(143.2,151.9) v1(143.95,151.9) v1(144.7,151.9) v1(145.45,151.9) v1(146.2,151.9) v1(146.95,151.9) v1(147.7,151.9) v1(148.45,151.9) v1(149.2,151.9) v1(149.95,151.9) v1(150.7,151.9) ; v1(143.2,105.9) v1(143.95,105.9) v1(144.7,105.9) v1(145.45,105.9) v1(146.2,105.9) v1(146.95,105.9) v1(147.7,105.9) v1(148.45,105.9) v1(149.2,105.9) v1(149.95,105.9) v1(150.7,105.9) ; v1(143.2,121.9) v1(143.95,121.9) v1(144.7,121.9) v1(145.45,121.9) v1(146.2,121.9) v1(146.95,121.9) v1(147.7,121.9) v1(148.45,121.9) v1(149.2,121.9) v1(149.95,121.9) v1(150.7,121.9) ; v1(143.2,137.8) v1(143.95,137.8) v1(144.7,137.8) v1(145.45,137.8) v1(146.2,137.8) v1(146.95,137.8) v1(147.7,137.8) v1(148.45,137.8) v1(149.2,137.8) v1(149.95,137.8) v1(150.7,137.8) ; v1(143.2,153.9) v1(143.95,153.9) v1(144.7,153.9) v1(145.45,153.9) v1(146.2,153.9) v1(146.95,153.9) v1(147.7,153.9) v1(148.45,153.9) v1(149.2,153.9) v1(149.95,153.9) v1(150.7,153.9)
  other v1: 96.25,93.95 91.25,94.65 92.25,94.65 95.25,94.65 96.25,94.65 90.275,94.8 97.25,94.8 91.25,95.4 92.25,95.4 95.25,95.4 96.25,95.4 90.275,95.8 97.25,95.8 91.25,96.15 92.25,96.15 95.25,96.15 96.25,96.15 90.275,96.8 97.25,96.8 91.25,96.9 92.25,96.9 95.25,96.9 96.25,96.9 90.275,97.8 97.25,97.8 152.75,104.2 159.725,104.2 153.75,105.1 154.75,105.1 157.75,105.1 158.75,105.1 152.75,105.2 159.725,105.2 153.75,105.85 154.75,105.85 157.75,105.85 158.75,105.85 152.75,106.2 159.725,106.2 153.75,106.6 154.75,106.6 157.75,106.6 158.75,106.6 152.75,107.2 159.725,107.2 153.75,107.35 154.75,107.35 157.75,107.35 158.75,107.35 153.75,108.05 96.25,109.95 91.25,110.65 92.25,110.65 95.25,110.65 96.25,110.65 90.275,110.8 97.25,110.8 91.25,111.4 92.25,111.4 95.25,111.4 96.25,111.4 90.275,111.8 97.25,111.8 91.25,112.15 92.25,112.15 95.25,112.15 96.25,112.15 90.275,112.8 97.25,112.8 91.25,112.9 92.25,112.9 95.25,112.9 96.25,112.9 90.275,113.8 97.25,113.8 152.75,120.2 159.725,120.2 153.75,121.1 154.75,121.1 157.75,121.1 158.75,121.1 152.75,121.2 159.725,121.2 153.75,121.85 154.75,121.85 157.75,121.85 158.75,121.85 152.75,122.2 159.725,122.2 153.75,122.6 154.75,122.6 157.75,122.6 158.75,122.6 152.75,123.2 159.725,123.2 153.75,123.35 154.75,123.35 157.75,123.35 158.75,123.35 153.75,124.05 96.25,125.95 91.25,126.65 92.25,126.65 95.25,126.65 96.25,126.65 90.275,126.8 97.25,126.8 91.25,127.4 92.25,127.4 95.25,127.4 96.25,127.4 90.275,127.8 97.25,127.8 91.25,128.15 92.25,128.15 95.25,128.15 96.25,128.15 90.275,128.8 97.25,128.8 91.25,128.9 92.25,128.9 95.25,128.9 96.25,128.9 90.275,129.8 97.25,129.8 152.75,136.1 159.725,136.1 153.75,137 154.75,137 157.75,137 158.75,137 152.75,137.1 159.725,137.1 153.75,137.75 154.75,137.75 157.75,137.75 158.75,137.75 152.75,138.1 159.725,138.1 153.75,138.5 154.75,138.5 157.75,138.5 158.75,138.5 152.75,139.1 159.725,139.1 153.75,139.25 154.75,139.25 157.75,139.25 158.75,139.25 153.75,139.95 96.25,141.95 91.25,142.65 92.25,142.65 95.25,142.65 96.25,142.65 90.275,142.8 97.25,142.8 91.25,143.4 92.25,143.4 95.25,143.4 96.25,143.4 90.275,143.8 97.25,143.8 91.25,144.15 92.25,144.15 95.25,144.15 96.25,144.15 90.275,144.8 97.25,144.8 91.25,144.9 92.25,144.9 95.25,144.9 96.25,144.9 90.275,145.8 97.25,145.8 152.75,152.2 159.725,152.2 153.75,153.1 154.75,153.1 157.75,153.1 158.75,153.1 152.75,153.2 159.725,153.2 153.75,153.85 154.75,153.85 157.75,153.85 158.75,153.85 152.75,154.2 159.725,154.2 153.75,154.6 154.75,154.6 157.75,154.6 158.75,154.6 152.75,155.2 159.725,155.2 153.75,155.35 154.75,155.35 157.75,155.35 158.75,155.35 153.75,156.05 135,176.5